# Altium PCB BUCK.PcbDoc (part 1 of 3) (continued)
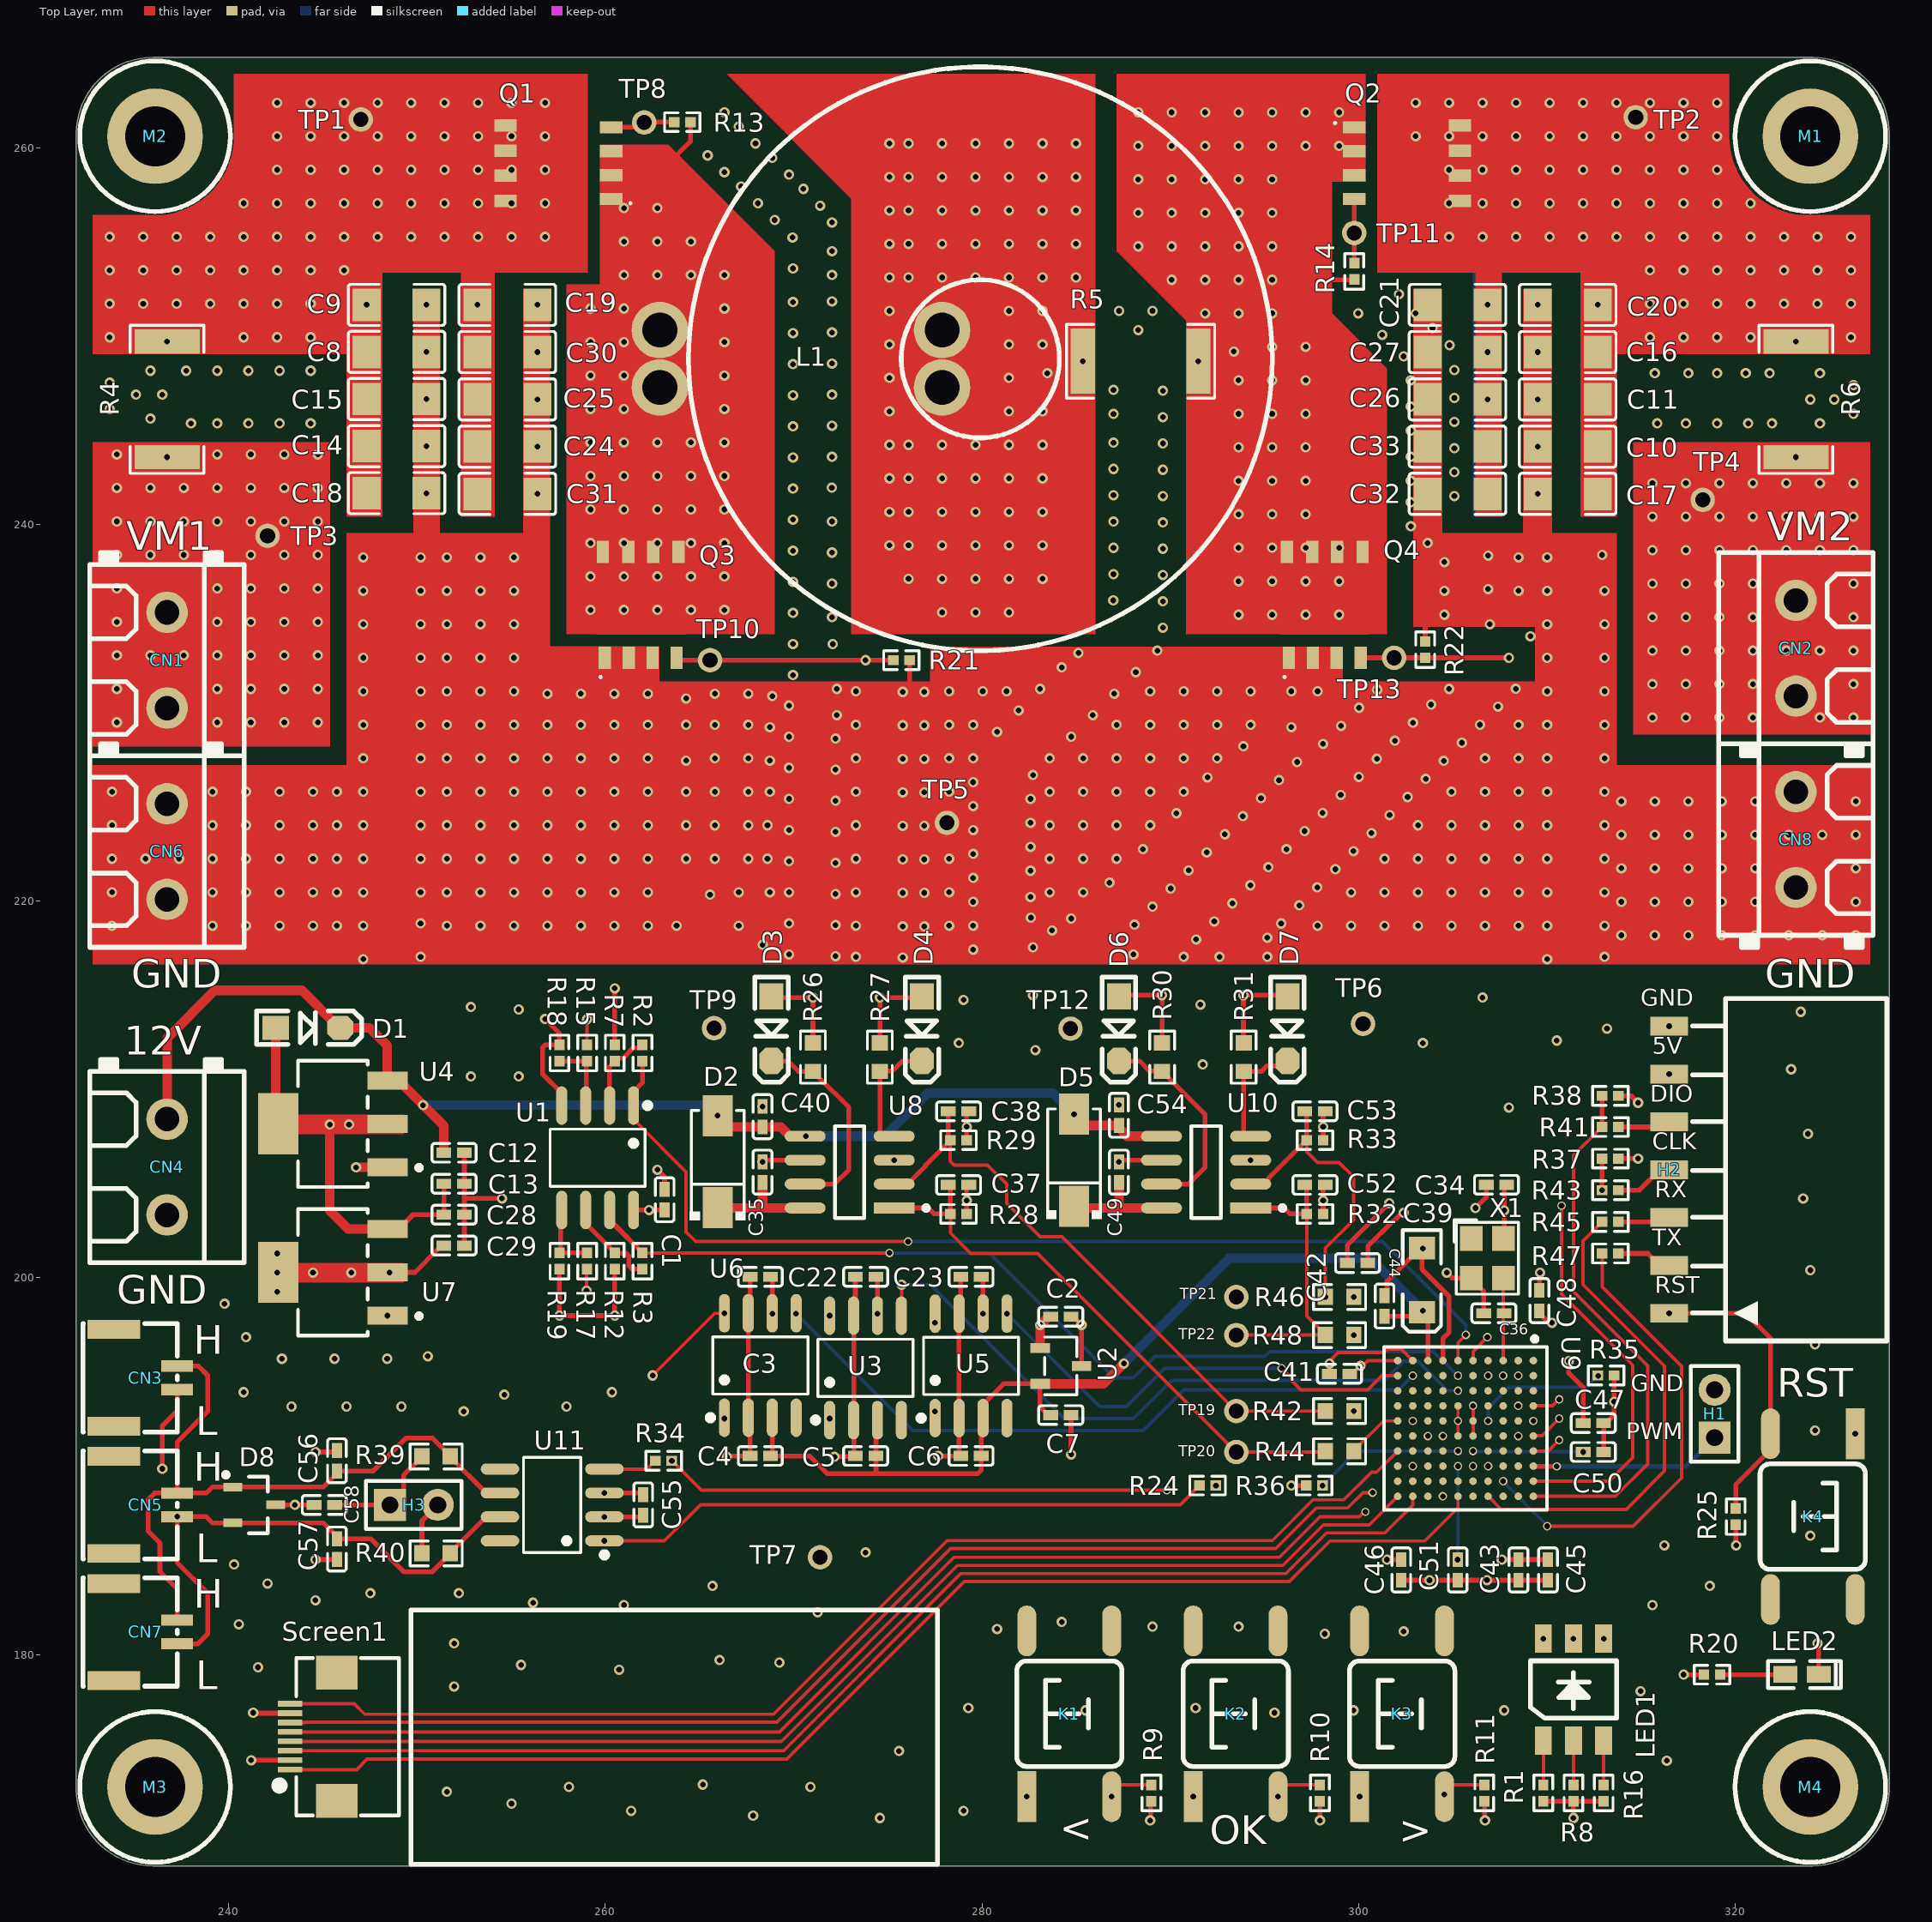
[diagram p0: Top Layer view]
## Components (designator, comment, footprint, x,y, rotation, side; value= is the part's Value field where it differs from the comment)
C1 "470nF" C0402 263.144,204.148 r270 top
C2 "470nF" C0402 284.181,197.935 r0 top
C3 "100nF" C0402 268.224,200.052 r0 top
C4 "100nF" C0402 268.224,190.546 r0 top
C5 "100nF" C0402 273.82,190.546 r0 top
C6 "100nF" C0402 279.416,190.546 r0 top
C7 "100nF" C0402 284.181,192.715 r180 top
C8 "22uF100V" C1206 248.911,249.156 r0 top
C9 "22uF100V" C1206 248.911,251.656 r0 top
C10 "22uF100V" C1206 311.093,244.131 r180 top
C11 "22uF100V" C1206 311.093,246.639 r0 top
C12 "1uF" C0402 251.966,206.64 r180 top
C13 "1uF" C0402 251.966,204.997 r180 top
C14 "22uF100V" C1206 248.911,244.157 r0 top
C15 "22uF100V" C1206 248.911,246.656 r0 top
C16 "22uF100V" C1206 311.093,249.148 r180 top
C17 "22uF100V" C1206 311.093,241.623 r0 top
C18 "22uF100V" C1206 248.911,241.657 r0 top
C19 "22uF100V" C1206 254.795,251.656 r0 top
C20 "22uF100V" C1206 311.093,251.656 r180 top
C21 "22uF100V" C1206 305.243,251.656 r0 top
C22 "100nF" C0402 273.82,200.052 r0 top
C23 "100nF" C0402 279.416,200.052 r0 top
C24 "22uF100V" C1206 254.795,244.131 r0 top
C25 "22uF100V" C1206 254.795,246.639 r0 top
C26 "22uF100V" C1206 305.243,246.639 r180 top
C27 "22uF100V" C1206 305.243,249.148 r0 top
C28 "1uF" C0402 251.966,203.355 r180 top
C29 "1uF" C0402 251.966,201.713 r180 top
C30 "22uF100V" C1206 254.795,249.148 r0 top
C31 "22uF100V" C1206 254.795,241.623 r0 top
C32 "22uF100V" C1206 305.243,241.623 r180 top
C33 "22uF100V" C1206 305.243,244.131 r0 top
C34 "100nF" C0402 307.313,204.943 r180 top
C35 "100nF" C0402 268.343,205.613 r90 top
C36 "15pF" C0402 307.176,198.12 r180 top
C37 "330pF" C0402 278.751,204.935 r180 top
C38 "330pF" C0402 278.751,208.841 r180 top
C39 "10uF" "CD A(3216)" 303.357,199.877 r90 top
C40 "1uF" C0402 268.343,208.556 r270 top
C41 "100nF" C0402 298.979,194.904 r180 top
C42 "100nF" C0402 299.937,200.787 r180 top
C43 "100nF" C0402 308.483,184.494 r270 top
C44 "100nF" C0402 301.371,198.501 r90 top
C45 "1uF" C0402 310.047,184.494 r90 top
C46 "100nF" C0402 302.259,184.494 r90 top
C47 "100nF" C0402 312.457,192.291 r180 top
C48 "100nF" C0402 309.593,198.79 r270 top
C49 "100nF" C0402 287.268,205.613 r90 top
C50 "2.2uF" C0402 312.457,190.754 r0 top
C51 "2.2uF" C0402 305.255,184.494 r270 top
C52 "330pF" C0402 297.677,204.935 r180 top
C53 "330pF" C0402 297.677,208.841 r180 top
C54 "1uF" C0402 287.268,208.633 r270 top
C55 "100nF" C0402 262.009,187.946 r270 top
C56 "20pF" C0402 245.745,190.29 r270 top
C57 "20pF" C0402 245.745,185.6 r90 top
C58 "4.7nF" C0402 245.075,187.946 r0 top
CN1 "1729128" CONN-TH_2P-P5.08 236.728,232.791 r270 top
CN2 "1729128" CONN-TH_2P-P5.08 323.215,233.426 r90 top
CN3 "A1257WR-S-2P" CONN-SMD_A1257WR-S-2P 235.585,194.691 r270 top
CN4 "1729128" CONN-TH_2P-P5.08 236.728,205.882 r270 top
CN5 "A1257WR-S-2P" CONN-SMD_A1257WR-S-2P 235.585,187.946 r270 top
CN6 "1729128" CONN-TH_2P-P5.08 236.728,222.631 r270 top
CN7 "A1257WR-S-2P" CONN-SMD_A1257WR-S-2P 235.585,181.2 r270 top
CN8 "1729128" CONN-TH_2P-P5.08 323.215,223.266 r90 top
D1 "1N5819W(SOD-123)" SOD-123 244.213,213.278 r0 top
D2 "MURA120T3G" SMA 265.961,206.164 r270 top
D3 "1N5819W(SOD-123)" SOD-123 268.82,213.228 r270 top
D4 "1N5819W(SOD-123)" SOD-123 276.81,213.228 r270 top
D5 "MURA120T3G" SMA 284.886,206.241 r270 top
D6 "1N5819W(SOD-123)" SOD-123 287.268,213.228 r270 top
D7 "1N5819W(SOD-123)" SOD-123 296.216,213.228 r270 top
D8 "PESD1CAN" SOT23-3L 241.369,187.946 r270 top
H1 "Header-Male-2.54_1x2" HDR2.54-LI-2P 318.897,192.786 r90 top
H2 "7P卧贴排母" HDR-SMD_7P-P2.54-H-F-L11.5 316.484,205.74 r90 top (schematic designator H?)
H3 "Header-Male-2.54_1x2" HDR2.54-LI-2P 249.831,187.946 r0 top
K1 "TSW SMD-6*6*5" "TSW SMD-6*6*5" 284.638,176.859 r90 top
K2 "TSW SMD-6*6*5" "TSW SMD-6*6*5" 293.473,176.859 r90 top
K3 "TSW SMD-6*6*5" "TSW SMD-6*6*5" 302.308,176.859 r90 top
K4 "TSW SMD-6*6*5" "TSW SMD-6*6*5" 324.104,187.325 r270 top
L1 "47uH 30A" 106-125卧式 265.938,250.317 r270 top locked
LED1 "LED 5050" "LED 5050" 311.404,178.143 r90 top
LED2 "LED 0603G" "LED 0603G" 323.533,178.936 r0 top
M1 "M3x5_L" M3x5_L 323.977,260.604 r0 top
M2 "M3x5_L" M3x5_L 236.093,260.604 r0 top
M3 "M3x5_L" M3x5_L 236.093,172.974 r0 top
M4 "M3x5_L" M3x5_L 323.977,172.974 r0 top
Q1 "BSC070N10NS3 G" INF-PG-TDSON-8-1_V 257.489,259.177 r90 top
Q2 "BSC070N10NS3 G" INF-PG-TDSON-8-1_V 302.582,259.177 r270 top
Q3 "BSC070N10NS3 G" INF-PG-TDSON-8-1_V 261.874,235.743 r0 top
Q4 "BSC070N10NS3 G" INF-PG-TDSON-8-1_V 298.196,235.743 r0 top
R1 "330 ohm" R0402 309.804,172.652 r270 top
R2 "3k" R0402 261.965,211.936 r270 top
R3 "3k" R0402 261.965,200.892 r90 top
R4 "0.003 ohm" R2512 236.728,246.639 r90 top
R5 "0.003 ohm" R2512 288.417,248.666 r0 top
R6 "0.003 ohm" R2512 323.215,246.639 r270 top
R7 "72k" R0402 260.497,211.936 r90 top
R8 "510 ohm" R0402 311.404,172.652 r270 top
R9 "10k" R0402 288.988,172.652 r270 top
R10 "10k" R0402 297.936,172.652 r270 top
R11 "10k" R0402 306.666,172.652 r270 top
R12 "72k" R0402 260.497,200.892 r90 top
R13 "10k" R0402 264.084,261.355 r0 top
R14 "10k" R0402 299.765,253.432 r90 top
R15 "72k" R0402 259.029,211.936 r90 top
R16 "330 ohm" R0402 313.004,172.652 r90 top
R17 "72k" R0402 259.029,200.892 r90 top
R18 "3k" R0402 257.56,211.936 r270 top
R19 "3k" R0402 257.56,200.892 r90 top
R20 "3k" R0402 318.761,178.936 r0 top
R21 "10k" R0402 275.717,232.791 r180 top
R22 "10k" R0402 303.53,233.351 r270 top
R24 "10 ohm" R0402 291.973,188.976 r180 top
R25 "10k" R0402 320.015,187.325 r90 top
R26 "10 ohm" R0603 271.018,211.718 r90 top
R27 "10 ohm" R0603 274.574,211.718 r90 top
R28 "10k" R0402 278.751,203.393 r180 top
R29 "10k" R0402 278.751,207.309 r180 top
R30 "10 ohm" R0603 289.56,211.718 r90 top
R31 "10 ohm" R0603 293.893,211.718 r90 top
R32 "10k" R0402 297.677,203.393 r180 top
R33 "10k" R0402 297.677,207.309 r180 top
R34 "10 ohm" R0402 263.092,190.29 r180 top
R35 "10k" R0402 313.13,194.818 r180 top
R36 "10k" R0402 297.636,188.976 r0 top
R37 "10k" R0402 313.361,206.331 r180 top
R38 "10k" R0402 313.361,209.661 r180 top
R39 "60.4 ohm" R0603 251.01,190.519 r0 top
R40 "60.4 ohm" R0603 251.01,185.375 r0 top
R41 "10 ohm" R0402 313.361,208.01 r180 top
R42 "10 ohm" R0603 298.979,192.929 r180 top
R43 "10 ohm" R0402 313.361,204.652 r180 top
R44 "10 ohm" R0603 298.979,190.796 r180 top
R45 "10 ohm" R0402 313.361,202.974 r180 top
R46 "10 ohm" R0603 298.979,198.987 r180 top
R47 "10 ohm" R0402 313.361,201.295 r180 top
R48 "10 ohm" R0603 298.979,196.964 r180 top
Screen1 "FPC0.5-8P" "FPC0.5 2H-S-W-8P" 245.745,175.641 r90 top
TP1 "TestPoint_DIP" TestPoint_DIP 247.015,261.493 r90 top
TP2 "TestPoint_DIP" TestPoint_DIP 314.706,261.62 r90 top
TP3 "TestPoint_DIP" TestPoint_DIP 242.062,239.395 r90 top
TP4 "TestPoint_DIP" TestPoint_DIP 318.262,241.3 r90 top
TP5 "TestPoint_DIP" TestPoint_DIP 278.13,224.155 r90 top
TP6 "TestPoint_DIP" TestPoint_DIP 300.228,213.487 r90 top
TP7 "TestPoint_DIP" TestPoint_DIP 271.399,185.166 r90 top
TP8 "TestPoint_DIP" TestPoint_DIP 262.062,261.335 r90 top
TP9 "TestPoint_DIP" TestPoint_DIP 265.764,213.252 r90 top
TP10 "TestPoint_DIP" TestPoint_DIP 265.557,232.791 r90 top
TP11 "TestPoint_DIP" TestPoint_DIP 299.765,255.473 r90 top
TP12 "TestPoint_DIP" TestPoint_DIP 284.699,213.228 r90 top
TP13 "TestPoint_DIP" TestPoint_DIP 301.879,232.918 r90 top
TP19 "TestPoint_DIP" TestPoint_DIP 293.497,192.929 r90 top
TP20 "TestPoint_DIP" TestPoint_DIP 293.497,190.754 r90 top
TP21 "TestPoint_DIP" TestPoint_DIP 293.497,198.987 r90 top
TP22 "TestPoint_DIP" TestPoint_DIP 293.497,196.964 r90 top
U1 "GS8552-SR" SOIC-8_L4.9-W3.9-P1.27-LS6.0-BL 259.588,206.375 r180 top
U2 "REF3033AIDBZR" SOT-23-3_L3.0-W1.7-P0.95-LS2.9-BR 284.181,195.326 r180 top
U3 "CSA240LCSOIC8" SOIC-8_L4.9-W3.9-P1.27-LS6.0-BL 273.812,195.221 r0 top
U4 "TLV1117-50IDCY" FP-DCY0004A-MFG 245.53,208.174 r180 top
U5 "CSA240LCSOIC8" SOIC-8_L4.9-W3.9-P1.27-LS6.0-BL 279.416,195.326 r0 top
U6 "CSA240LCSOIC8" SOIC-8_L4.9-W3.9-P1.27-LS6.0-BL 268.224,195.348 r0 top
U7 "TLV1117-33IDCYR" FP-DCY0004A-MFG 245.53,200.293 r180 top
U8 "IRS2186STRPBF" FP-PG-DSO-8-IPC_B 272.97,205.613 r180 top
U9 "STM32H743VIH6" FP-TFBGA100-A08Q-MFG 305.67,192.005 r270 top
U10 "IRS2186STRPBF" FP-PG-DSO-8-IPC_B 291.896,205.613 r180 top
U11 "TCAN332GDR" SOIC-8_L4.9-W3.9-P1.27-LS6.0-BL 257.175,187.946 r90 top
X1 "25Mhz" "OSC 3225-4P" 306.832,201.041 r270 top

## Footprints (in the part's own frame and the unit in brackets; to place one, negate y for a bottom-side part, rotate by r counter-clockwise, add the part's x,y. Pads: shape width x height; smd on the part's side, far side on the other; paste and mask are expansions set on the pad)
106-125卧式 [mm]
  round 3 hole 1.85: 1(0,-3.048) 1(3.048,-3.048) 2(0,11.938) 2(3.048,11.938)
  silkscreen extent -13.97,-1.53 17.02,29.47
C0402 [mm]
  rect 0.79x0.54 smd: 1(-0.545,0) 2(0.545,0)
  silkscreen extent -1.17,-0.5 1.17,0.5, body extent -0.5,-0.25 0.5,0.25, height 0.5
C1206 [mm]
  rect 1.485x1.728 smd: 1(-1.593,0) 2(1.593,0)
  silkscreen extent -2.56,-1.09 2.56,1.09, body extent -1.7,-0.91 1.7,0.91, height 0.89
"CD A(3216)" [mm] "长3.2mm，宽1.6mm，厚1.6mm"
  rect 1.2x1.4 smd: 1(-1.7,0) 2(1.7,0)
  silkscreen extent -2.74,-1.02 2.67,1.02, body extent -1.6,-0.8 1.6,0.8, height 1.6
CONN-SMD_A1257WR-S-2P [mm]
  rect 0.6x1.7 smd: 1(0.625,1.675) 2(-0.625,1.675)
  rect 1x2.8 smd: 3(2.575,-1.675) 4(-2.575,-1.675)
  silkscreen extent -2.87,-3.33 2.87,1.68, body extent -2.87,-2.86 2.87,2, height 4.25
CONN-TH_2P-P5.08 [mm]
  round 2.2 hole 1.3 mask+0.051: 1(-2.54,0) 2(2.54,0)
  silkscreen extent -5.72,-4.1 5.08,4.1
FP-DCY0004A-MFG [mm]
  rect 2.15x0.95 smd paste+0 mask+0: 1(-2.9,2.3) 2(-2.9,0) 3(-2.9,-2.3)
  rect 2.15x3.25 smd paste+0 mask+0: 4(2.9,0)
  silkscreen extent -4.7,-3.35 1.85,3.35, body extent -4.08,-3.45 4.08,3.45, height 0.25
FP-PG-DSO-8-IPC_B [mm]
  rect 2.174x0.582 smd paste+0 mask+0: 1(-2.366,1.905)
  rrect100% 2.174x0.582 smd paste+0 mask+0: 2(-2.366,0.635) 3(-2.366,-0.635) 4(-2.366,-1.905) 5(2.366,-1.905) 6(2.366,-0.635) 7(2.366,0.635) 8(2.366,1.905)
  silkscreen extent -4.18,-2.44 0.78,2.44, body extent -3.7,-2.7 3.7,2.7, height 0.25
FP-TFBGA100-A08Q-MFG [mm]
  round 0.4 smd paste+0 mask+0: A1(-3.6,3.6) A2(-2.8,3.6) A3(-2,3.6) A4(-1.2,3.6) A5(-0.4,3.6) A6(0.4,3.6) A7(1.2,3.6) A8(2,3.6) A9(2.8,3.6) A10(3.6,3.6) B1(-3.6,2.8) B2(-2.8,2.8) B3(-2,2.8) B4(-1.2,2.8) B5(-0.4,2.8) B6(0.4,2.8) B7(1.2,2.8) B8(2,2.8) B9(2.8,2.8) B10(3.6,2.8) C1(-3.6,2) C2(-2.8,2) C3(-2,2) C4(-1.2,2) C5(-0.4,2) C6(0.4,2) C7(1.2,2) C8(2,2) C9(2.8,2) C10(3.6,2) D1(-3.6,1.2) D2(-2.8,1.2) D3(-2,1.2) D4(-1.2,1.2) D5(-0.4,1.2) D6(0.4,1.2) D7(1.2,1.2) D8(2,1.2) D9(2.8,1.2) D10(3.6,1.2) E1(-3.6,0.4) E2(-2.8,0.4) E3(-2,0.4) E4(-1.2,0.4) E5(-0.4,0.4) E6(0.4,0.4) E7(1.2,0.4) E8(2,0.4) E9(2.8,0.4) E10(3.6,0.4) F1(-3.6,-0.4) F2(-2.8,-0.4) F3(-2,-0.4) F4(-1.2,-0.4) F5(-0.4,-0.4) F6(0.4,-0.4) F7(1.2,-0.4) F8(2,-0.4) F9(2.8,-0.4) F10(3.6,-0.4) G1(-3.6,-1.2) G2(-2.8,-1.2) G3(-2,-1.2) G4(-1.2,-1.2) G5(-0.4,-1.2) G6(0.4,-1.2) G7(1.2,-1.2) G8(2,-1.2) G9(2.8,-1.2) G10(3.6,-1.2) H1(-3.6,-2) H2(-2.8,-2) H3(-2,-2) H4(-1.2,-2) H5(-0.4,-2) H6(0.4,-2) H7(1.2,-2) H8(2,-2) H9(2.8,-2) H10(3.6,-2) J1(-3.6,-2.8) J2(-2.8,-2.8) J3(-2,-2.8) J4(-1.2,-2.8) J5(-0.4,-2.8) J6(0.4,-2.8) J7(1.2,-2.8) J8(2,-2.8) J9(2.8,-2.8) J10(3.6,-2.8) K1(-3.6,-3.6) K2(-2.8,-3.6) K3(-2,-3.6) K4(-1.2,-3.6) K5(-0.4,-3.6) K6(0.4,-3.6) K7(1.2,-3.6) K8(2,-3.6) K9(2.8,-3.6) K10(3.6,-3.6)
  silkscreen extent -4.87,-4.33 4.33,4.32, body extent -4.57,-4.57 4.57,4.57, height 0.25
"FPC0.5 2H-S-W-8P" [mm] "长：8.2mm，宽：5.2mm，高：2mm"
  rect 1.8x2.2 smd: 0(-3.4,0) 0(3.4,0)
  rect 0.3x1.3 smd: 1(-1.75,2.497) 2(-1.25,2.497) 3(-0.75,2.497) 4(-0.25,2.497) 5(0.25,2.497) 6(0.75,2.497) 7(1.25,2.497) 8(1.75,2.497)
  silkscreen extent -4.17,-3.3 4.17,3.23, body extent -4.1,-3.15 4.1,2.85, height 2
HDR2.54-LI-2P [mm] "排针，2脚"
  rect 1.7x1.7 hole 0.9: 1(-1.27,0)
  round 1.7 hole 0.9: 2(1.27,0)
  silkscreen extent -2.54,-1.27 2.54,1.27, body extent -2.54,-1.27 2.54,1.27, height 8.5
HDR-SMD_7P-P2.54-H-F-L11.5 [mm]
  rect 1x2 smd mask-2539.97: 1(-7.62,0) 2(-5.08,0) 3(-2.54,0) 4(0,0) 5(2.54,0) 6(5.08,0) 7(7.62,0)
  silkscreen extent -9.09,-11.56 9.09,-1.23
INF-PG-TDSON-8-1_V [mm] "TDSON, 8-Leads, Body 6.15x5.15mm, Pitch 1.27mm"
  rect 0.65x1.2 smd: 1(-1.905,-2.825) 2(-0.635,-2.825) 3(0.635,-2.825) 4(1.905,-2.825) 5(2.007,2.794) 6(0.66,2.794) 7(-0.66,2.794) 8(-2.007,2.794)
  Top Layer region: 0.315,2.925 1.015,2.925 1.015,3.425 0.315,3.425
  Top Layer region: -1.015,2.925 -0.315,2.925 -0.315,3.425 -1.015,3.425
  Top Layer region: 1.65,2.925 2.35,2.925 2.35,3.425 1.65,3.425
  Top Layer region: -2.35,2.925 -1.65,2.925 -1.65,3.425 -2.35,3.425
  Top Layer region: -2.35,2.925 -2.35,-1.575 2.35,-1.575 2.35,2.925
  silkscreen extent -2.23,-3.94 -2.03,-3.74, body extent -2.58,-3.08 2.58,3.08, height 1
"LED 0603G" [mil] "绿色0603LED"
  rect 50x35 smd: 1(-35,0.26) 2(35,0.26)
  silkscreen extent -71,-28 81,28, body extent -31,-16 32,16, height 18
"LED 5050" [mm] "白色5050LED"
  rect 1.5x0.9 smd: 1(2.705,1.6) 2(-2.705,1.6) 3(2.705,0) 4(-2.705,0) 5(2.705,-1.6) 6(-2.705,-1.6)
  silkscreen extent -1.52,-2.29 1.52,2.29, body extent -2.7,-2.5 2.7,2.5, height 1.65
M3x5_L [mm] "M3铜柱，长：5mm"
  round 5.08 hole 3.175: 1(0,0)
  silkscreen extent -4,-4 4,4, body extent -2.7,-2.35 2.7,2.35, height 5.05
"OSC 3225-4P" [mm] "3.2*2.5*0.7mm(长宽高)"
  rect 1.3x1.2 smd: 1(-1.05,-0.85) 2(1.05,-0.85) 3(1.05,0.85) 4(-1.05,0.85)
  silkscreen extent -2.03,-1.75 1.91,1.65, body extent -1.6,-1.25 1.6,1.25, height 0.7
R0402 [mm]
  rect 0.566x0.54 smd: 1(-0.433,0) 2(0.433,0)
  silkscreen extent -0.94,-0.5 0.94,0.5, body extent -0.5,-0.25 0.5,0.25, height 0.51
R0603 [mm]
  rect 0.806x0.864 smd: 1(-0.753,0) 2(0.753,0)
  silkscreen extent -1.39,-0.66 1.39,0.66, body extent -0.8,-0.4 0.8,0.4, height 0.22
R2512 [mm]
  rect 1.283x3.456 smd: 1(-3.066,0) 2(3.066,0)
  silkscreen extent -3.94,-1.96 3.94,1.96, body extent -3.15,-1.6 3.15,1.6, height 0.61
SMA [mm]
  rect 2.185x1.593 smd: 1(-2.442,0) 2(2.442,0)
  silkscreen extent -2.73,-1.48 3.11,1.48, body extent -2.6,-1.3 2.6,1.3, height 2
SOD-123 [mil] "2.7x1.6X1.1mm（长宽高，不包括引脚）"
  rect 55x50 smd: 1(-67.5,0)
  oct 55x50 smd: 2(67.5,0)
  silkscreen extent -108,-35 112,35, body extent -73,-31 73,31, height 48
SOIC-8_L4.9-W3.9-P1.27-LS6.0-BL [mm]
  oval 0.588x2.045 smd: 1(-1.905,-2.772) 2(-0.635,-2.772) 3(0.635,-2.772) 4(1.905,-2.772) 5(1.905,2.772) 6(0.635,2.772) 7(-0.635,2.772) 8(-1.905,2.772)
  silkscreen extent -2.8,-2.92 2.53,1.52, body extent -2.51,-2.89 2.51,3.15, height 1.6
SOT23-3L [mm] "3x1.3x1mm(长宽高)"
  rect 0.45x1 smd: 1(-0.95,-1.143) 2(0.95,-1.143) 3(0,1.125)
  silkscreen extent -1.72,-1.65 1.5,0.7, body extent -1.5,-1.2 1.5,1.2, height 1.05
SOT-23-3_L3.0-W1.7-P0.95-LS2.9-BR [mm]
  rect 1.037x0.532 smd: 1(1.101,-0.95) 2(1.101,0.95) 3(-1.101,0)
  silkscreen extent -0.86,-1.53 0.86,1.53
TestPoint_DIP [mm]
  round 1.3 hole 0.8: 1(0,0)
"TSW SMD-6*6*5" [mm] "6*6*5mm"
  rect 2.7x1 smd: 1(-4.4,2.261)
  oval 2.7x1 smd: 2(4.4,2.261) 3(-4.4,-2.239) 4(4.4,-2.239)
  silkscreen extent -2.79,-2.79 2.79,2.79, body extent -4.5,-3 4.5,3, height 4.95

## Part data
C1 C2 C3 C4 C5 C6 C7 C12 C13 C22 C23 C28 C29 C34 C35 C36 C37 C38 C40 C41 C42 C43 C44 C45 C46 C47 C48 C49 C50 C51 C52 C53 C54 C55 C56 C57 C58: library part C0402, BOM_JLCPCB Part Class="Extended Part", BOM_Manufacturer=YAGEO, BOM_Manufacturer Part=CC0402KRX7R7BB104, BOM_Supplier=LCSC, BOM_Supplier Part=C60474, nameAlias=Capacitance, spicePre=C, spiceSymbolName=CC0402KRX7R7BB104
C8 C9 C10 C11 C14 C15 C16 C17 C18 C19 C20 C21 C24 C25 C26 C27 C30 C31 C32 C33: library part C1206, BOM_JLCPCB Part Class="Basic Part", BOM_Manufacturer=FH, BOM_Manufacturer Part=1206B102K202NT, BOM_Supplier=LCSC, BOM_Supplier Part=C9196, nameAlias=Capacitance, spicePre=C, spiceSymbolName=1206B102K202NT
C39: library part A型钽电容, "长3.2mm，宽1.6mm，厚1.6mm", BOM_JLCPCB Part Class="Extended Part", BOM_Manufacturer=ValuePro, BOM_Manufacturer Part="50V 100uF 8X12", BOM_Supplier=LCSC, BOM_Supplier Part=C2749, nameAlias=Capacitance, spicePre=C, spiceSymbolName="50V 100uF 8X12"
CN1 CN2 CN4 CN6 CN8: library part MKDSN5.08-2P, "间距:5.08mm;排数:1;每排PIN数:2;安装方式:直针;额定电流:13.5A;额定电压:400V;工作温度范围:-;颜色:绿色;", Color=绿色, Current Rating (Max)=13.5A, JLCPCB Part Class="Extended Part", LCSC Part Name="5.08mm 排数:1 每排P数:2 直针", Manufacturer="Phoenix Contact(菲尼克斯)", Operating Temperature Range=-, Voltage Rating (Max)=400V, Add into BOM=yes, Convert to PCB=yes, Datasheet=https://atta.szlcsc.com/upload/public/pdf/source/20161226/1482720163948.pdf, Device=1729128, Manufacturer Part=1729128, Mounting Style=直针, Number of PINs Per Row=2, Number of Rows=1, Pitch=5.08mm, Supplier=LCSC, Supplier Footprint=插件,P=5.08mm, Supplier Part=C91153, Symbol=MKDSN1.5/2-5.08
CN3 CN5 CN7: BOM_JLCPCB Part Class="Extended Part", BOM_Manufacturer="Changjiang Connectors", BOM_Manufacturer Part=A1257WV-S-2P, BOM_Supplier=LCSC, BOM_Supplier Part=C225118, Contributor=LCSC, spicePre=C, spiceSymbolName=A1257WV-S-2P
D1 D3 D4 D6 D7: BOM_JLCPCB Part Class="Extended Part", BOM_Manufacturer=Doeshare(德芯), BOM_Manufacturer Part=SS34, BOM_Supplier=LCSC, BOM_Supplier Part=C2931787, Contributor=LCSC, spicePre=D, spiceSymbolName=SS34_C2931787
D2 D5: "25ns 0.875V压降 1A快恢复二极管", Average Rectified Current (Io)=1A, Forward Voltage (Vf@If)=1.7V@1A, JLCPCB Part Class="Extended Part", LCSC Part Name="600V 1A 35ns", Manufacturer=MDD, Manufacturer Part=ES1J, Operating Temperature=-55℃~+150℃@(Tj), Reverse Leakage Current=5uA@600V, Reverse Voltage (Vr)=600V, Add into BOM=yes, Convert to PCB=yes, Datasheet=https://atta.szlcsc.com/upload/public/pdf/source/20200710/C412438_D778E045B8BDD674EB487A7C2F57C90E.pdf, Device=ES1J_C412438, Diode Configuration=独立式, Name=ES1J, Reverse Recovery Time (trr)=35ns, Supplier=LCSC, Supplier Footprint=SMA, Supplier Part=C412438, Symbol=ES1JG_C412438
D8: BOM_Manufacturer="TECH PUBLIC", BOM_Manufacturer Part=PESD1CAN, BOM_Supplier=LCSC, BOM_Supplier Part=C907838, Contributor=LCSC, spicePre=D, spiceSymbolName=PESD1CAN_C907838
H1 H3: BOM_JLCPCB Part Class="Extended Part", BOM_Manufacturer=BOOMELE, BOM_Manufacturer Part="Header2.54mm 1*3P", BOM_Supplier=LCSC, BOM_Supplier Part=C49257, spicePre=H, spiceSymbolName=Header-Male-2.54_1x3
H2: JLCPCB Part Class="Extended Part", LCSC Part Name="间距:2.54mm 1x6P 卧贴", Manufacturer="XKB Connectivity(中国星坤)", Manufacturer Part=X6511FRS-06-C85D30, Add into BOM=yes, Convert to PCB=yes, Datasheet=https://atta.szlcsc.com/upload/public/pdf/source/20220822/AB9A82E80C220285963E5EFA3BFD32FF.pdf, Device=X6511FRS-06-C85D30, Holes Structure=1x6P, Insulation Height=8.5mm, Mounting Type=卧贴, Name=X6511FRS-06-C85D30, Number of Holes=6P, Number of Rows=单排, Pitch=2.54mm, Supplier=LCSC, Supplier Footprint=SMD,P=2.54mm, Supplier Part=C5142239, Symbol=X6511FRS-06-C85D30
K1 K2 K3 K4: BOM_JLCPCB Part Class="Extended Part", BOM_Manufacturer=GANGYUAN(港源), BOM_Manufacturer Part=KAN0661-1001B, BOM_Supplier=LCSC, BOM_Supplier Part=C231715, Contributor=LCSC, spicePre=S, spiceSymbolName=KAN0661-1001B
L1: library part 106-125铁硅铝磁环电感, BOM_JLCPCB Part Class="Extended Part", BOM_Manufacturer=FH(风华), BOM_Manufacturer Part=HA42-4R7MT, BOM_Supplier=LCSC, BOM_Supplier Part=C2936653, Contributor=LCSC, nameAlias=Inductance, spicePre=L, spiceSymbolName=HA42-4R7MT
LED1: "5050RGB-LED", BOM_Manufacturer=EVERLIGHT(台湾亿光), BOM_Manufacturer Part=11-21/BHC-AQ2S2/2T, BOM_Supplier=LCSC, BOM_Supplier Part=C3014404, Contributor=lcsc, spicePre=L, spiceSymbolName=11-21/BHC-AQ2S2/2T
LED2: "绿色0603LED", BOM_Manufacturer=EVERLIGHT(台湾亿光), BOM_Manufacturer Part=11-21/BHC-AQ2S2/2T, BOM_Supplier=LCSC, BOM_Supplier Part=C3014404, Contributor=lcsc, spicePre=L, spiceSymbolName=11-21/BHC-AQ2S2/2T
M1 M2 M3 M4: "M3铜柱，长：5mm"
Q1 Q2 Q3 Q4: library part BSC070N10NS3G, "N-Channel OptiMOS 3 Power-Transistor, 100 V VDS, 90 A ID, -55 to 150 degC, PG-TDSON-8-1, Reel, Green", Manufacturer=Infineon, ComponentLink1Description="Manufacturer URL", ComponentLink1URL=http://www.infineon.com/, ComponentLink2Description=Datasheet, ComponentLink2URL=http://www.infineon.com/dgdl/BSC070N10NS3+Rev2+1.pdf?folderId=db3a304313b8b5a60113cee8763b02d7&fileId=db3a304327b89750012824712c6c6f2f, ComponentLink3Description="Package Specification", ComponentLink3URL=http://www.infineon.com/cms/packages/SMD_-_Surface_Mounted_Devices/P-PG-TDSON/P-PG-TDSON-08-01x_2x_3.html?__locale=en, DatasheetVersion="Rev. 2.0", Green=TRUE, Halogen-free=TRUE, ID (max)="90Â A", IDpuls (max)="360Â A", Manufacturer Part Number=BSC070N10NS3G, Mounting Technology="Surface Mount", PackageDescription="8-Pin Plastic (Green) Thin Dual Small Outline Non-Leaded Package, 5.15 x 5.9 mm Body, 1.27 mm Pitch", PackageReference=PG-TDSON-8-1, Packing=Reel, PartNumber="BSC070N10NS3 G", Polarity=N, Ptot (max)="114Â W", QG="42Â nC", RDS (on) (max)="7Â mOhm", Rth="1.1Â K/W", RthJA (max)="50Â K/W", RthJC (max)="1.1Â K/W", VDS (max)="100Â V", VGS(th) (max)="3.5Â V", VGS(th) (min)="2Â V"
R1 R2 R3 R7 R8 R9 R10 R11 R12 R13 R14 R15 R16 R17 R18 R19 R20 R21 R22 R24 R25 R28 R29 R32 R33 R34 R35 R36 R37 R38 R41 R43 R45 R47: library part R0402, BOM_JLCPCB Part Class="Extended Part", BOM_Manufacturer=YAGEO, BOM_Manufacturer Part=SR0402FR-0710KL, Resistance=10kΩ, BOM_Supplier=LCSC, BOM_Supplier Part=C723595, Contributor=LCSC, spicePre=R, spiceSymbolName=SR0402FR-0710KL
R4 R5 R6: library part R2512, BOM_JLCPCB Part Class="Extended Part", BOM_Manufacturer=YAGEO, BOM_Manufacturer Part=SR2512FK-0751RL, Resistance=51Ω, BOM_Supplier=LCSC, BOM_Supplier Part=C375694, Contributor=LCSC, nameAlias="Resistance (Ohms)", spicePre=R, spiceSymbolName=SR2512FK-0751RL
R26 R27 R30 R31 R39 R40 R42 R44 R46 R48: library part R0603, BOM_JLCPCB Part Class="Extended Part", BOM_Manufacturer=YAGEO, BOM_Manufacturer Part=SR0603JR-071RL, Resistance=1Ω, BOM_Supplier=LCSC, BOM_Supplier Part=C326890, Contributor=LCSC, nameAlias="Resistance (Ohms)", spicePre=R, spiceSymbolName=SR0603JR-071RL
Screen1: library part FPC-8P-0.5, "FPC连接器", BOM名称=FPC连接器, 学习资源=https://lmdzstyle.taobao.com/, 版权归属=黎明电子style
TP1 TP2 TP3 TP4 TP5 TP6 TP7 TP8 TP9 TP10 TP11 TP12 TP13 TP19 TP20 TP21 TP22: "测试点"
U1: "1.5MHZ, 轨到轨高精双通道运放", JLCPCB Part Class="Extended Part", Manufacturer=Gainsil(聚洵), Operating Temperature=-40℃~+125℃, Supply Current=180uA, Supply Voltage=1.8V~5.5V, Add into BOM=yes, Convert to PCB=yes, Datasheet=https://atta.szlcsc.com/upload/public/pdf/source/20200615/C605420_EE0E567F8FF01D919583B114644E1CC3.pdf, Device=GS8552-SR, Gain Bandwidth Product(GBP)=1.8MHz, LCSC Part Name=GS8552-SR, Manufacturer Part=GS8552-SR, Name=GS8552-SR, Number of Circuits=双路, Slew Rate(SR)=0.95V/us, Supplier=LCSC, Supplier Footprint=SOIC-8, Supplier Part=C157716, Symbol=GS8552-SR
U2: "3.3V基准电压源", Input Voltage=3.35V~5.5V, JLCPCB Part Class="Extended Part", Manufacturer=TI(德州仪器), Operating Temperature=-40℃~+125℃@(Ta), Output Current=25mA, Output Voltage=3.3V, Supply Current=50uA, Temperature Coefficient=75ppm/℃, Tolerance=±0.2%, Add into BOM=yes, Convert to PCB=yes, Datasheet=https://www.ti.com/cn/lit/gpn/ref3020, Device=REF3033AIDBZR, LCSC Part Name=REF3033AIDBZR, Manufacturer Part=REF3033AIDBZR, Name=REF3033AIDBZR, Noise - 10Hz to 10kHz=105uVrms, Output Type=固定, Reference Type=串联, Supplier=LCSC, Supplier Footprint=SOT-23, Supplier Part=C36658, Symbol=REF3033AIDBZR
U3 U5 U6: "低噪声低温漂双向电流高端检测芯片", Common Mode Voltage=6V~80V, JLCPCB Part Class="Extended Part", LCSC Part Name=线性产品, Manufacturer=analogysemi(类比半导体), Operating Temperature=-40℃~125℃, Supply Voltage=2.7V~5.5V, Add into BOM=yes, Convert to PCB=yes, Datasheet=https://atta.szlcsc.com/upload/public/pdf/source/20230221/4ACBE0500A397B3D4468D76F97F173B7.pdf, Device=CSA240LCSOIC8, Gain=20V/V, Manufacturer Part=CSA240LCSOIC8, Name=CSA240LCSOIC8, Number of Channels=1, Supplier=LCSC, Supplier Footprint=SOIC-8, Supplier Part=C5359411, Symbol=CSA240LCSOIC8
U4: library part CMP-04917-000165-1, "IC REG LINEAR 5V 800MA SOT223-4", Case/Package=SOT-223, Dropout Voltage=1.2V, Input Bias Current=5mA, Max Input Voltage=15V, Max Operating Temperature=125°C, Max Output Current=800mA, Min Input Voltage=6.4V, Min Operating Temperature=-40°C, Nominal Output Voltage=5V, Package Quantity=80, Quiescent Current=15mA, Reference Voltage=5.2V, Height=1.7mm, Lead Free="Lead Free", Length=6.7mm, Min Current Limit=800mA, Mount="Surface Mount", Number of Outputs=1, Number of Pins=3, Number of Regulators=1, Output Current=800mA, Output Type=Fixed, Output Voltage=5V, Packaging=Rail/Tube, Polarity=Positive, Radiation Hardening=No, REACH SVHC="No SVHC", RoHS Compliant=Yes, Series=-, Width=3.7mm
U7: library part CMP-04917-000056-1, "IC REG LIN 3.3V 800MA SOT223-4", Dropout Voltage=1.2V, Manufacturer="Texas Instruments", Max Junction Temp=+125°C, Max Supply Voltage=15V, Min Supply Voltage=4.7V, Nominal Supply Current=5mA, Output Current=0.8A, Output Voltage=3.3V, Package=DCY0004A, Temperature="-40°C to +125°C", Temperature Range Low=-40°C, Automotive=No, Category=IC, ComponentLink2Description=Datasheet, ComponentLink2URL=http://www.ti.com/lit/ds/symlink/tlv1117.pdf, Device Class L1="Integrated Circuits (ICs)", Device Class L2="Power Management ICs", Device Class L3="Voltage Regulators - Linear", Digikey Description="IC REG LIN 3.3V 800MA SOT223-4", Height=1.8mm, Lead Free=Yes, Manufacturer Part Number=TLV1117-33IDCYR, Mouser Description="LDO Voltage Regulators Fixed LDO Volt Reg", Number of Outputs=1, Octopart=https://octopart.com/tlv1117-33idcyr-texas+instruments-669250, Output Type=Fixed, RoHS=TRUE, Standoff Height=0.02mm, Temperature Range High=+125°C
U8 U10: library part CMP-32851-000154-1, "IC GATE DRVR HI/LOW SIDE 8SOIC", Case/Package=SOIC, Max Operating Temperature=150°C, Max Output Current=4A, Min Operating Temperature=-40°C, Package Quantity=2500, Channel Type=Independent, Fall Time=30ns, Halogen Free="Halogen Free", Height=0.059inch, Lead Free="Lead Free", Length=0.196inch, Mount="Surface Mount", Number of Channels=2, Number Of Drivers=2, Number of Outputs=2, Number of Pins=8, Output Current=4A, Packaging="Cut Tape", Propagation Delay=170ns, RoHS Compliant=Yes, Series=-, Width=0.157inch
U9: library part CMP-12105-000020-1, "HIGH-PERFORMANCE AND DSP WITH DP", Ambient Temperature Range High=+85°C, Ambient Temperature Range Low=-40°C, Frequency=480MHz, Manufacturer=STMicroelectronics, Max Junction Temp=+125°C, Max Supply Voltage=3.6V, Min Supply Voltage=1.71V, Package=TFBGA100-A08Q, Temperature="-40°C to +85°C", Automotive=No, Category=IC, ComponentLink2Description=Datasheet, ComponentLink2URL=https://www.st.com/resource/en/datasheet/stm32h743vi.pdf, Core Architecture="ARM Cortex-M7", Data Bus Width=32bits, Device Class L1="Integrated Circuits (ICs)", Device Class L2="Embedded Processors and Controllers", Device Class L3=Microcontrollers, Digikey Description="HIGH-PERFORMANCE AND DSP WITH DP", Height=1.1mm, Interface=I2C,SPI,UART,USART,CAN,USB,Ethernet,I2S,SMBus, Ipc Land Pattern Name=BGA100C80P10X10_800X800X110, Lead Free=Yes, Manufacturer Part Number=STM32H743VIH6, Memory Size=2MBytes, Memory Type=FLASH, Mouser Description="MCU 32-Bit STM32H743VI ARM Cortex M7 RISC 2MB Flash 1.8V/2.5V/3.3V 100-Pin TFBGA Tray", Number Of A/D Converters=3, Number Of Adc Channels=36, Number Of Cores=1, Number Of Ethernet Channels=1, Number Of I2C Channels=4, Number Of I/Os=82, Number Of Pwm Channels=2, Number Of Spi Channels=6, Number Of Timers/Counters=22, Number Of Uart Channels=9, Number Of Usb Channels=1, Octopart=https://octopart.com/stm32h743vih6-stmicroelectronics-93590710, Ram Size=1MBytes, RoHS=TRUE, Standoff Height=0.15mm, Temperature Range High=+85°C, Temperature Range Low=-40°C
U11: "CANFD收发芯片", JLCPCB Part Class="Extended Part", LCSC Part Name=3V~3.6V, Manufacturer=TI(德州仪器), Operating Temperature=-40℃~+125℃, Add into BOM=yes, Convert to PCB=yes, Data Rate=5Mbps, Datasheet=https://www.ti.com/cn/lit/gpn/tcan337g, Device=TCAN332GDR, Manufacturer Part=TCAN332GDR, Supplier=LCSC, Supplier Footprint=SOIC-8, Supplier Part=C191010, Supply Voltage=3V~3.6V, Symbol=TCAN332GDR, Type=收发器
X1: library part OSC-3225, BOM_JLCPCB Part Class="Extended Part", BOM_Manufacturer=TAE(雅晶鑫), BOM_Manufacturer Part=TFOM8M4RHKCNT2T, BOM_Supplier=LCSC, BOM_Supplier Part=C454610, Contributor=LCSC, spicePre=X, spiceSymbolName=TFOM8M4RHKCNT2T

## Via types
v1: diameter 0.55, hole 0.3, Top Layer to Bottom Layer, 1193 vias
v2: diameter 0.45, hole 0.3, Top Layer to Bottom Layer, 51 vias

## Nets (pads, with @x,y where several pads share a name; then routed paths per layer and width w, separated by ;. In a path a pad name is that pad's centre, name@x,y a point inside that pad or via, vN(x,y) a via of type N, cw(c..) or ccw(c..) an arc to the next point about the centre after c; other vN are vias at no path point)
+3V3: C1.2 C3.2 C22.2 C23.2 C29.2 C34.1 C41.1 C42.1 C43.1 C45.2 C46.2 C47.2 C48.2 C55.1 R1.2 R8.2 R9.2 R10.2 R11.2 R16.1 R20.1 R25.1 R36.1 R38.1 Screen1.7 U1.8 U3.6 U5.6 U6.6 U7.2 U7.4 U9.B2 U9.D2 U9.F4 U9.F5 U9.F6 U9.K1 U11.3 X1.4 | length 45.4
  Top Layer w0.178: C41.1@299.524,194.904 299.649,194.904 300.071,195.326 300.202,195.326 300.481,195.605 U9.K1@302.07,195.605 ; U9.F6@305.27,191.605 v2(305.27,192.405) U9.F4@305.27,193.205
  Top Layer w0.254: v1(241.3,176.911) 241.32,176.891 Screen1.7@243.248,176.891 ; U7.2@248.43,200.293 249.886,200.293 251.153,201.56 251.153,201.57 251.296,201.713 C29.2@251.421,201.713 ; v1(259.947,188.581) 261.919,188.581 C55.1@262.009,188.491 ; U1.8@261.493,203.603 v1(262.318,203.603) C1.2@263.144,203.603 ; C3.2@268.769,200.052 268.859,199.963 v1(268.859,198.098) ; C22.2@274.365,200.052 274.455,199.963 v1(274.455,198.098) ; C23.2@279.961,200.052 280.051,199.963 v1(280.051,198.098) ; v1(288.925,171.196) 288.956,171.227 288.956,172.188 R9.2@288.988,172.219 ; v1(296.418,188.976) R36.1@297.203,188.976 ; R10.2@297.936,172.219 297.939,172.216 297.939,171.199 v1(297.942,171.196) ; C42.1@300.482,200.787 300.482,201.675 301.845,203.038 301.891,203.038 302.307,203.454 v1(302.387,203.454) ; v1(301.498,185.039) C46.2@302.259,185.039 ; R11.2@306.666,172.219 306.686,172.2 306.686,171.215 v1(306.705,171.196) ; v1(307.594,185.039) C43.1@308.483,185.039 C45.2@310.047,185.039 ; X1.4@307.682,202.091 307.721,202.13 v1(307.721,203.581) 307.721,204.806 C34.1@307.858,204.943 ; C48.2@309.593,198.245 309.593,198.12 310.101,197.612 v1(310.261,197.612) ; R1.2@309.804,172.219 R8.2@311.404,172.219 ; v1(311.15,195.58) 311.15,194.945 311.912,194.183 C47.2@311.912,192.291 ; v1(311.404,171.323) R8.2@311.404,172.219 ; R16.1@313.004,172.219 R8.2@311.404,172.219 ; R38.1@313.794,209.661 314.468,209.661 v1(314.833,209.296) ; v1@317.246,178.943 v1(317.249,178.94) 317.253,178.936 R20.1@318.328,178.936 ; R25.1@320.015,186.892 320.015,185.826 v1(320.04,185.801)
  other v1: 300.101,195.326 242.57,199.263 242.57,200.279 244.475,200.279 246.507,200.279 248.539,200.279 242.57,201.295
  other v2: 306.87,194.805 308.47,194.805
+5: C2.1 C13.2 C28.2 D1.1 H2.6 U2.1 U4.2 U4.4 U7.3 | length 102.4
  Top Layer w0.254: U4.4@242.498,208.306 U4.4@242.63,208.174 ; U7.3@249.03,202.593 249.792,203.355 C28.2@251.421,203.355 C13.2@251.421,204.997 ; C2.1@283.511,197.935 C2.1@283.636,197.935
  Top Layer w0.508: U4.4@242.498,208.306 D1.1@242.498,213.278 ; v1@245.364,208.153 245.364,203.581 246.352,202.593 U7.3@249.03,202.593 ; U2.1@283.079,196.276 283.079,197.503 C2.1@283.511,197.935
  Mid Layer 4 w0.508: v1(245.372,208.145) v1(246.388,208.145) 254.008,208.145 266.192,195.961 281.553,195.961 v1(283.087,197.495) 296.412,210.82 v1(316.484,210.82)
+12: C12.2 C40.2 C54.2 CN4.1 D1.2 D2.1 D5.1 U4.3 U8.5 U10.5 | length 69.1
  Top Layer w0.254: D1.2@245.864,213.278 D1.2@245.927,213.278 ; U4.3@249.03,210.474 249.555,209.949 ; v1(265.961,208.606) D2.1@266.556,208.011 ; U8.5@269.808,207.518 U8.5@270.604,207.518 ; v1(284.886,208.683) D5.1@285.482,208.088 ; C54.2@287.268,207.963 C54.2@287.268,208.088
  Top Layer w0.508: CN4.1@236.728,208.422 236.728,212.725 239.268,215.265 243.876,215.265 D1.2@245.864,213.278 ; D1.2@245.927,213.278 247.478,213.278 248.412,212.344 248.412,210.695 248.642,210.465 U4.3@249.021,210.465 ; U4.3@249.03,210.474 249.555,209.949 250.326,209.178 251.421,208.084 C12.2@251.421,206.64 ; 249.546,209.94 v1(250.317,209.169) ; D5.1@285.482,208.088 C54.2@287.268,208.088 ; C54.2@287.268,207.963 287.713,207.518 U10.5@289.529,207.518
  Top Layer w0.509: D2.1@266.556,208.011 C40.2@268.343,208.011 269.315,208.011 U8.5@269.808,207.518
  Bottom Layer w0.508: v1(250.317,209.169) 265.387,209.169 265.949,208.606 v1(265.961,208.606) ; v1(270.637,207.518) 274.828,207.518 277.114,209.804 283.766,209.804 v1(284.886,208.683)
A_HS: C35.2 L1.1 Q1.1 Q1.2 Q1.3 Q3.5 Q3.6 Q3.7 Q3.8 R13.2 TP9.1 U8.6 | length 38.4
  Top Layer w0.254: 263.017,258.826 264.517,260.326 R13.2@264.517,261.355 ; v1(268.343,206.158) 268.433,206.248 U8.6@270.604,206.248
  Mid Layer 2 w0.254: v1(262.763,235.458) 263.271,234.95 263.271,220.853 267.081,217.043 267.081,213.233 ; TP9.1@265.764,213.252 267.062,213.252 267.081,213.233 ; v1@268.351,206.121 267.081,207.391 267.081,213.233
  other v1: 259.207,235.458 260.985,235.458 264.541,235.458 266.319,235.458 259.207,237.236 260.985,237.236 262.763,237.236 264.541,237.236 266.319,237.236 259.207,239.014 260.985,239.014 262.763,239.014 264.541,239.014 266.319,239.014 259.207,240.792 260.985,240.792 262.763,240.792 264.541,240.792 266.319,240.792 259.207,242.57 260.985,242.57 262.763,242.57 264.541,242.57 266.319,242.57 259.207,244.348 260.985,244.348 262.763,244.348 264.541,244.348 266.319,244.348 259.207,246.126 260.985,246.126 266.319,246.126 259.207,247.904 260.985,247.904 266.319,247.904 259.207,249.682 260.985,249.682 266.319,249.682 259.207,251.46 260.985,251.46 266.319,251.46 260.985,253.238 262.763,253.238 264.541,253.238 266.319,253.238 260.985,255.016 262.763,255.016 264.541,255.016 260.985,256.794 262.763,256.794
ADC_Iin: U6.5 U9.J2 | length 36.5
  Bottom Layer w0.178: v1(270.129,198.098) 276.33,191.897 288.544,191.897 290.703,194.056 302.121,194.056 v2(302.87,194.805)
ADC_IL: U3.5 U9.F3 | length 36
  Top Layer w0.178: v1@275.717,199.644 v1(275.725,199.636) U3.5@275.725,198.098
  Bottom Layer w0.178: v1(275.725,199.636) 277.249,199.636 284.353,192.532 288.036,192.532 290.068,194.564 301.371,194.564 302.387,195.58 303.149,195.58 304.724,194.005 v2(305.27,194.005)
ADC_Iout: U5.5 U9.K2 | length 24.5
  Top Layer w0.178: v2(295.91,195.199) 296.444,194.665 296.444,194.538 296.926,194.056 300.482,194.056 301.231,194.805 U9.K2@302.07,194.805
  Bottom Layer w0.178: v1(281.321,198.098) 286.252,193.167 287.655,193.167 289.687,195.199 v2(295.91,195.199)
ADC_Vin: R2.2 U1.1 U9.F1 | length 55.9
  Top Layer w0.178: U1.1@261.493,209.147 261.493,208.419 264.287,205.625 264.287,202.438 264.795,201.93 v2(276.072,201.93) ; U9.F1@305.27,195.605 305.27,196.558 v2(305.689,196.977)
  Top Layer w0.254: U1.1@261.493,209.147 261.493,209.887 261.965,210.359 R2.2@261.965,211.503
  Bottom Layer w0.178: v2(276.072,201.93) 301.244,201.93 305.689,197.485 v2(305.689,196.977)
ADC_Vout: R3.2 U1.7 U9.F2 | length 50.2
  Top Layer w0.178: R3.2@261.965,201.325 v2(275.082,201.325)
  Top Layer w0.254: U1.7@260.223,203.603 260.223,202.964 260.377,202.81 260.492,202.81 261.965,201.338 R3.2@261.965,201.325
  Bottom Layer w0.178: v2(275.082,201.325) 280.386,201.325 287.02,194.691 288.036,194.691 289.179,195.834 295.021,195.834 295.275,196.088 303.97,196.088 305.261,194.796 v2(305.27,194.805)
AmosH: D3.1 Q1.4 R13.1 R26.2 TP8.1 | length 60.8
  Top Layer w0.254: Q1.4@260.512,261.28 Q1.4@260.314,261.082 262.062,261.082 TP8.1@262.062,261.335 262.062,261.355 R13.1@263.651,261.355 ; TP8.1@261.779,261.335 TP8.1@261.936,261.194 ; D3.1@268.82,214.943 268.878,214.884 v1(271.018,214.884) R26.2@271.018,212.471
  Mid Layer 2 w0.254: TP8.1@262.062,261.335 265.334,261.335 271.018,255.651 271.018,216.916 v1(271.018,214.884)
AmosL: D4.1 Q3.4 R21.2 R27.2 TP10.1 | length 34.5
  Top Layer w0.254: Q3.4@263.779,232.918 263.779,232.791 TP10.1@265.557,232.791 v1(273.812,232.791) R21.2@275.284,232.791 ; R27.2@274.574,212.471 v1(274.574,214.884) 276.751,214.884 D4.1@276.81,214.943
  Mid Layer 2 w0.254: v1(273.812,232.791) 274.574,232.029 v1(274.574,214.884)
B_HS: C49.2 Q2.1 Q2.2 Q2.3 Q4.5 Q4.6 Q4.7 Q4.8 R5.2 R14.1 TP12.1 U3.1 U10.6 | length 109.7
  Top Layer w0.254: v1(287.268,206.158) 287.358,206.248 U10.6@289.529,206.248 ; v1(295.402,252.984) 295.41,252.992 299.757,252.992 R14.1@299.765,252.999 ; Q2.3@299.757,258.542 Q2.2@299.757,259.812 Q2.1@299.757,261.082
  Mid Layer 2 w0.254: v1(271.907,192.532) 271.907,193.421 273.558,195.072 281.305,202.819 281.305,226.993 288.544,234.232 288.544,248.031 289.179,248.666 v1(291.483,248.666) ; TP12.1@284.699,213.228 286.507,213.228 286.512,213.233 ; v1(287.268,206.158) 286.512,206.914 286.512,213.233 ; v1(295.402,235.204) 295.402,227.965 286.512,219.075 286.512,213.233
  other v1: 293.624,235.204 297.18,235.204 298.958,235.204 293.624,236.982 295.402,236.982 297.18,236.982 298.958,236.982 293.624,238.76 295.402,238.76 297.18,238.76 298.958,238.76 293.624,240.538 295.402,240.538 297.18,240.538 293.624,242.316 295.402,242.316 297.18,242.316 293.624,244.094 295.402,244.094 297.18,244.094 293.624,245.872 295.402,245.872 297.18,245.872 293.624,247.65 295.402,247.65 297.18,247.65 293.37,249.174 295.402,249.428 297.18,249.428 291.846,251.206 293.624,251.206 295.402,251.206 290.068,252.984 291.846,252.984 293.624,252.984 288.29,254.762 290.068,254.762 291.846,254.762 293.624,254.762 295.402,254.762 288.29,256.54 290.068,256.54 291.846,256.54 293.624,256.54 295.402,256.54 288.29,258.318 290.068,258.318 291.846,258.318 293.624,258.318 295.402,258.318 288.29,260.096 290.068,260.096 291.846,260.096 293.624,260.096 295.402,260.096 297.18,260.096 298.958,260.096 288.29,261.874 290.068,261.874 291.846,261.874 293.624,261.874 295.402,261.874 297.18,261.874 298.958,261.874
BK: Screen1.1 U9.F10 | length 68.4
  Top Layer w0.178: Screen1.1@243.248,173.891 246.789,173.891 247.345,174.447 269.624,174.447 279.048,183.871 296.32,183.871 298.479,186.03 303.505,186.03 305.27,187.795 U9.F10@305.27,188.405
BmosH: D6.1 Q2.4 R14.2 R30.2 TP11.1 | length 58
  Top Layer w0.254: D6.1@287.268,214.943 287.337,215.011 v1(289.56,215.011) R30.2@289.56,212.471 ; Q2.4@299.757,257.272 299.765,257.264 TP11.1@299.765,255.473 R14.2@299.765,253.865
  Mid Layer 2 w0.254: v1(289.56,215.011) 289.56,218.313 305.816,234.569 305.816,238.76 304.038,240.538 304.038,248.793 299.765,253.066 TP11.1@299.765,255.473
BmosL: D7.1 Q4.4 R22.2 R31.2 TP13.1 | length 36.5
  Top Layer w0.254: R31.2@293.893,212.471 293.878,212.486 v1(293.878,215.011) 296.148,215.011 D7.1@296.216,214.943 ; Q4.4@300.101,232.918 TP13.1@301.879,232.918 R22.2@303.53,232.918 v1(307.975,232.918)
  Mid Layer 2 w0.254: v1(293.878,215.011) 293.878,218.313 307.975,232.41 v1(307.975,232.918)